# KiCad board nodular-base.kicad_pcb (continued)
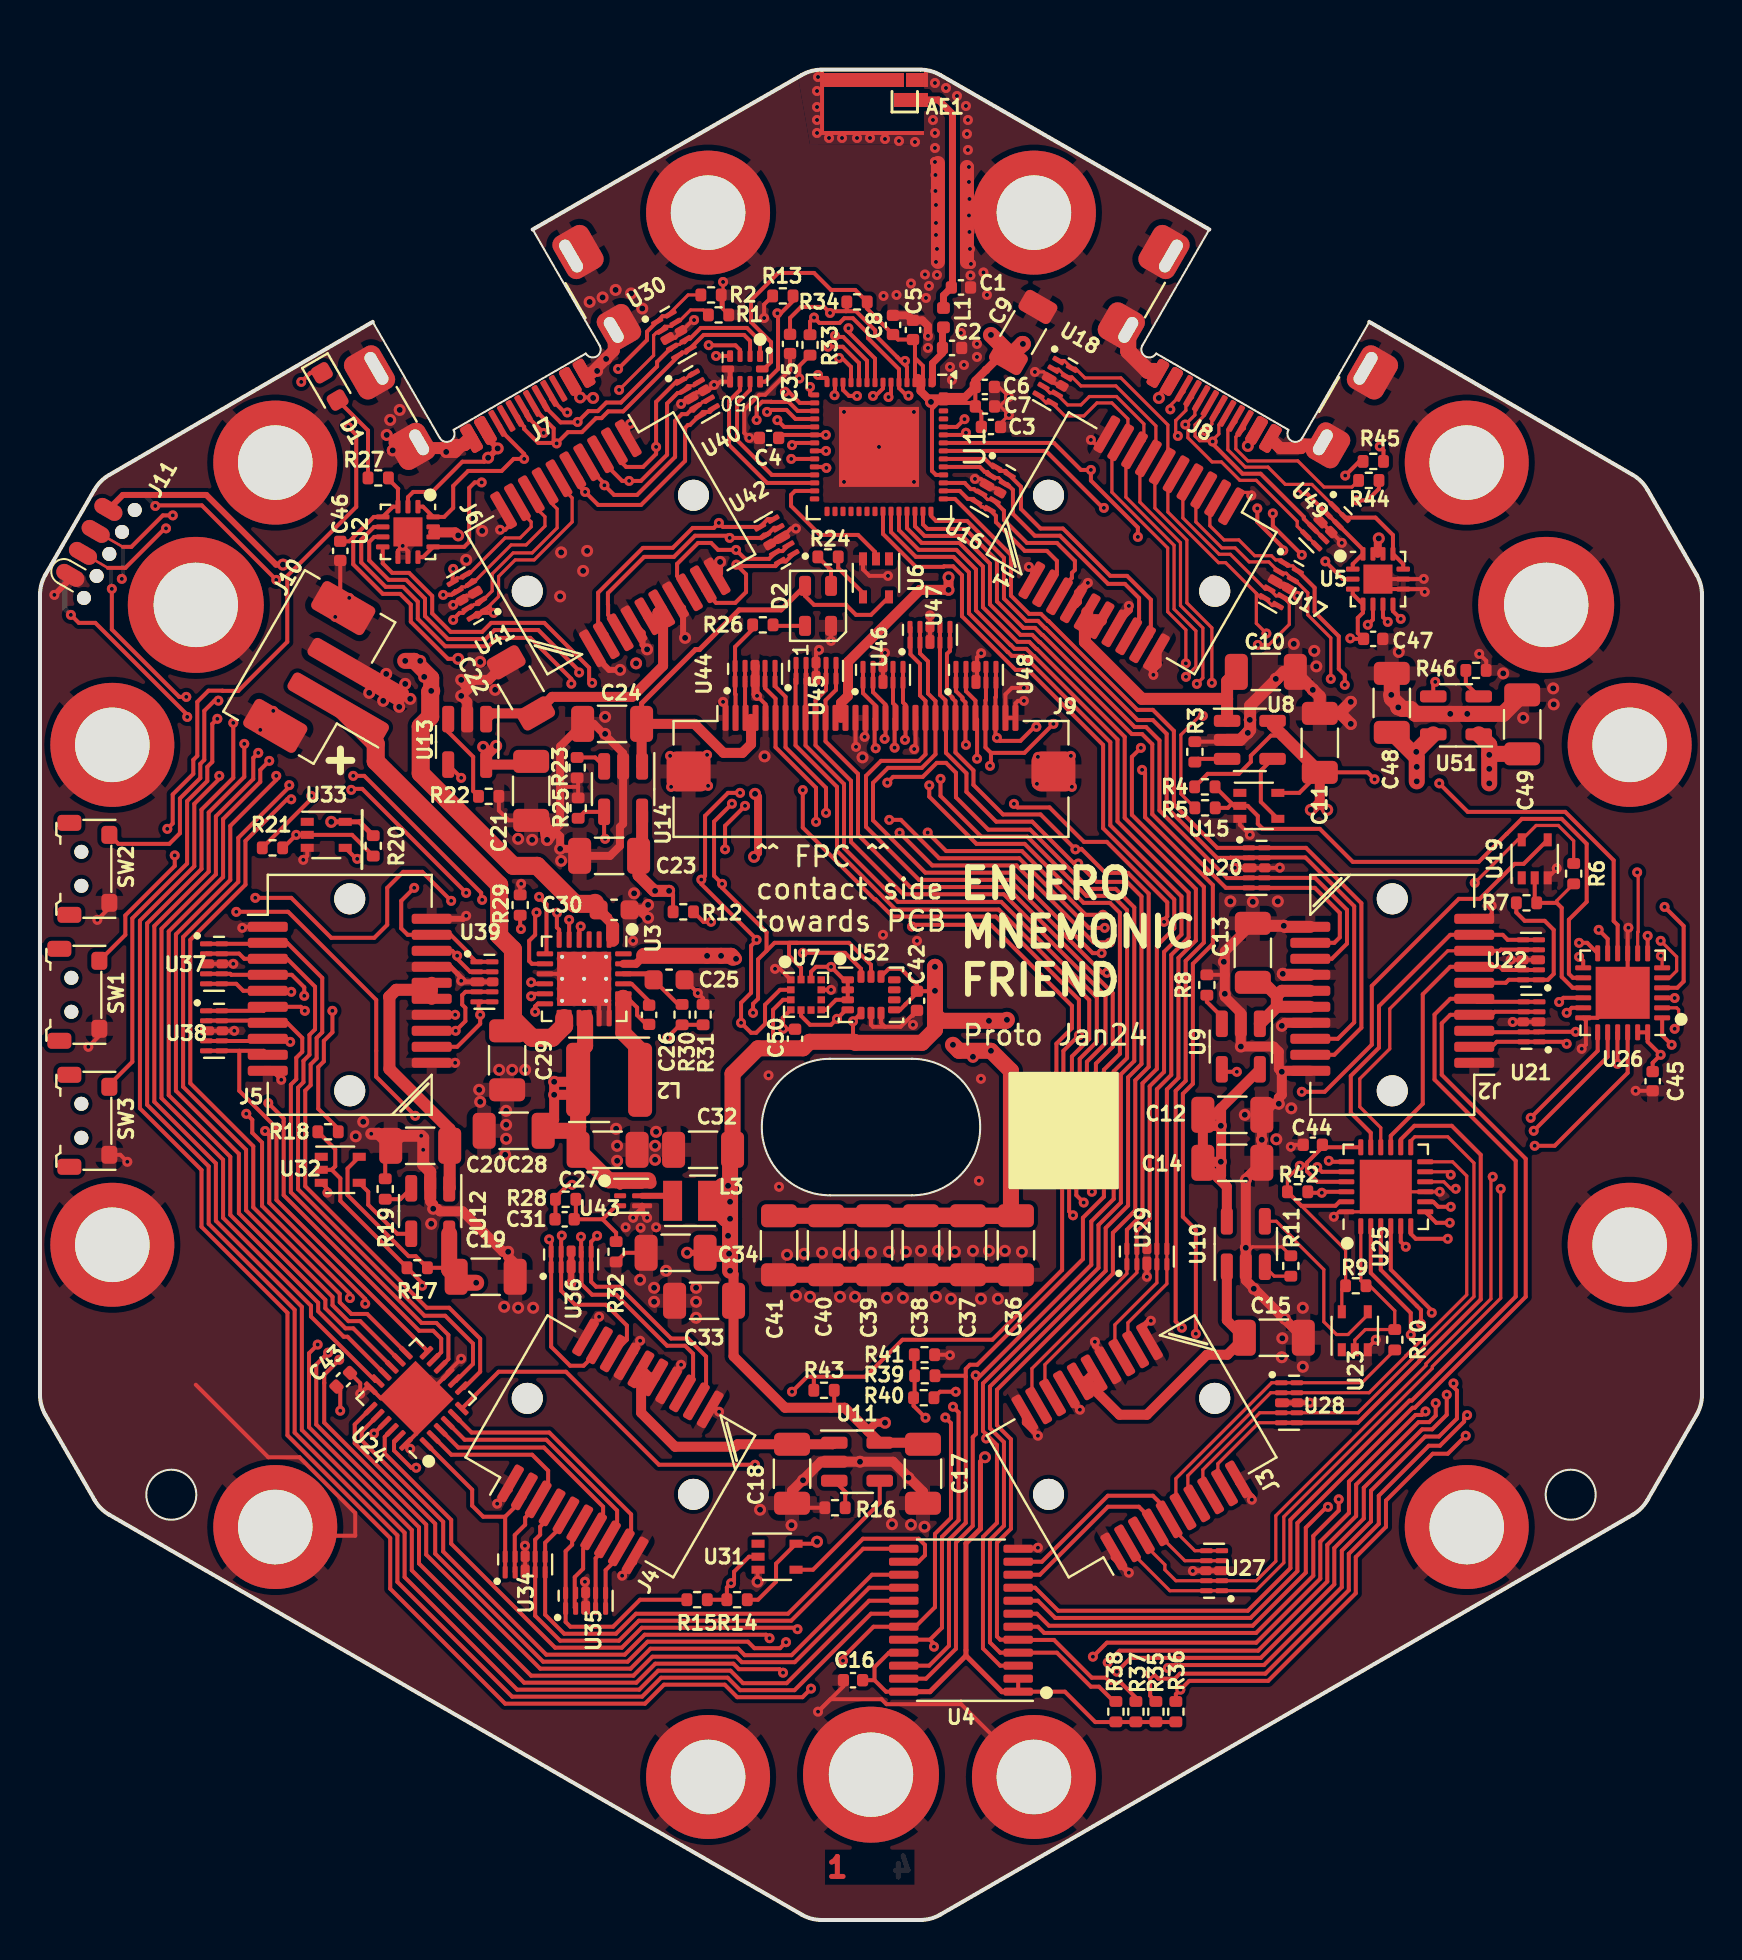
[diagram p0: board, top side]
## Routing (per net, layer and track width the routed paths; a pad name or vN(x,y) marks a point on that pad's centre or on a via; arc(x,y) is an arc through that point) (continued)
/~{BOOTLOADER}: length 111.5
  Top w0.2: R33.2 38.52,79.94 v1(38.72,80.14) 38.99,79.87 40,79.87 40.23,80.1 40.66,80.1 41.42,79.35 41.42,79.11 42.97,77.56 42.97,76.61 43.35,76.23 v1(43.44,76.23) ; U48.10 U48.1 45.82,61.46 46.14,61.13 46.14,61.04 46.29,60.89 J9.25 46.29,58.79 v1(46.32,58.77) ; SW3.2 3.47,41.77 4.62,42.92 4.62,50.09 7.36,52.83 7.36,55.95 8.37,56.96 8.37,57.67 8.62,57.92 8.62,59.82 v1(8.87,60.07)
  In2.Cu w0.2: v1(43.44,76.23) 43.51,76.17 43.51,75.92 43.22,75.62 43.22,75.16 43.62,74.76 43.62,72.64 43.22,72.24 43.22,69.47 44.02,68.67 44.02,59.92 44.67,59.27 44.67,58.17 43.97,57.47 43.97,56.46 44.28,56.15 44.88,56.15 46.32,57.59 v1(46.32,58.77) ; v1(4.09,67.07) 4.09,63.54 5.77,61.87 7.33,61.87 8.87,60.32 v1(8.87,60.07) 8.87,60.22 12.92,64.27 12.92,66.1 16.89,70.07 18.99,70.07 19.69,70.77 23.47,70.77 24.37,71.67 26.67,71.67 27.26,72.26 28.61,72.26 30.67,74.32 30.67,75.77 32.22,77.32 35.32,77.32 38.14,80.14 v1(38.72,80.14)
  Bottom w0.127: J11.6 4.14,68.67
  Bottom w0.16: 4.14,68.67 4.14,67.12 v1(4.09,67.07)
/~{ESPRESET}: length 106
  Top w0.2: 42.87,78.17 43.07,77.97 v1(43.27,77.97) ; 42.87,78.17 43.37,77.67 43.37,77.12 ; 42.87,78.17 41.78,79.26 41.78,79.5 40.82,80.45 40.32,80.45 ; 40.32,80.45 39.61,80.45 v1(39.52,80.37) 39.22,80.67 38.07,80.67 37.52,80.12 C35.1 ; 40.32,80.45 40.36,80.49 R34.2 ; v1(11.82,67.02) 8.09,70.74 5.8,70.74 v1(5.77,70.72) ; v1(8.92,60.98) 8.73,60.98 8.22,60.47 8.22,58.02 8.02,57.82 8.02,57.11 7,56.09 7,54.35 6.47,53.82 3.92,53.82 SW2.2 ; v1(46.88,58.07) 46.88,60.04 J9.26 46.79,60.98 46.32,61.45 U48.2 U48.9
  In2.Cu w0.2: v1(11.82,67.02) 12.32,66.52 12.56,66.52 ; 12.56,66.52 12.84,66.52 16.74,70.42 18.85,70.42 19.55,71.12 23.32,71.12 24.22,72.02 26.42,72.02 27.02,72.62 28.42,72.62 30.27,74.47 30.27,75.88 32.11,77.72 34.96,77.72 37.88,80.64 39.25,80.64 v1(39.52,80.37) ; 12.56,66.52 12.56,64.66 8.92,61.02 v1(8.92,60.98) ; v1(46.88,58.07) 46.88,57.6 45.08,55.8 44.14,55.8 43.57,56.37 43.57,57.62 44.23,58.28 44.23,59.21 43.67,59.77 43.67,68.33 42.82,69.18 42.82,72.44 43.17,72.79 43.17,74.62 42.87,74.92 42.87,75.77 42.94,75.85 42.94,77.64 v1(43.27,77.97)
  Bottom w0.2: J11.5 4.15,71.27 5.22,71.27 v1(5.77,70.72)
/~{INT_SYS}: length 250.6
  Top w0.2: v1(26.58,61.83) 26.58,62.07 24.53,64.12 22.86,64.12 22.44,63.7 20.27,63.7 18.9,65.07 18.9,65.93 18.16,66.67 17.29,66.67 16.07,67.89 16.07,69.03 16.71,69.67 U2.5 ; v1(35.27,55.72) 34.27,54.72 v1(34.27,53.54) ; v1(24.97,51.17) 25.34,50.8 25.34,48.4 U3.7 ; v1(74.77,38.72) 75.77,38.72 79.42,42.37 U26.22 ; U25.22 64.17,36.42 v1(64.12,36.37) 63.47,36.37 R42.2 ; v1(70.71,26.83) 70.71,26.65 70.88,26.48 70.88,25.08 69.98,24.18 69.29,24.18 66.58,21.47 66.58,19.93 65.12,18.47 65.12,16.64 61.22,12.75 56.57,12.75 v1(56.42,12.6) ; v1(38.16,56.51) 38.16,54.63 41.74,51.04 41.8,51.04 42.66,50.18 47.81,50.18 51.97,46.02 v1(51.97,44.24) 51.19,43.47 51.19,38.71 v1(51.12,38.64) ; U5.5 66.68,65.03 v1(66.42,64.77) ; U24.22 17.24,24.16 17.24,23.33 20.57,20.01 20.57,18.82 25.77,13.62 29.1,13.62 30.1,14.62 37.82,14.62 v1(37.89,14.54) ; v1(38.52,76.67) 38.52,76.27
  In2.Cu w0.2: v1(70.71,26.83) 70.32,27.22 70.32,32.62 73.67,35.97 73.67,37.72 73.73,37.78 ; 73.73,37.78 74.72,38.77 v1(74.77,38.72) ; 73.73,37.78 70.36,37.78 70.1,37.52 66.77,37.52 65.62,36.37 v1(64.12,36.37) 54.37,36.37 52.97,37.77 52.53,37.77 51.66,38.64 v1(51.12,38.64) ; v1(38.52,76.67) 38.52,75.82 39.82,74.52 39.82,73.32 40.72,72.42 40.72,61.07 39.92,60.27 39.92,58.27 v1(38.16,56.51) 38.16,56.28 37.39,55.52 35.47,55.52 v1(35.27,55.72) 34.87,55.32 30.17,55.32 26.58,58.91 v1(26.58,61.83) ; v1(56.42,12.6) 56.39,12.6 54.34,14.64 37.99,14.64 v1(37.89,14.54) ; v1(34.27,53.54) 34.24,53.52 29.53,53.52 27.28,51.27 25.07,51.27 v1(24.97,51.17) ; v1(51.97,44.24) 51.97,45.89 51.22,46.64 51.22,51.34 54.04,54.17 54.04,58.67 55.19,59.82 55.19,62.59 56.8,64.2 60.15,64.2 60.82,64.87 66.33,64.87 v1(66.42,64.77)
/~{QON}: length 35.6
  Top w0.2: v1(6.74,53.24) 6.74,52.71 4.27,50.24 4.27,49.27 SW1.2 ; v1(24.77,45.42) 24.77,45.7 24.77,45.7 24.9,45.82 U3.12 ; v1(18.77,40.22) 16.82,42.17 16.82,46.01 12.41,50.42 v1(9.82,50.42)
  In2.Cu w0.2: v1(24.77,45.42) 19.57,40.22 v1(18.77,40.22) ; v1(9.82,50.42) 9.42,50.42 6.74,53.1 v1(6.74,53.24)
Net-(AE1-FEED): length 11.5
  Top w0.35: AE1.1 44.94,91.02 45.64,90.32 45.64,81.7 C1.1 45.19,81.25 L1.1
Net-(C26-Pad1): length 6.6
  Top w0.2: U3.20 29.87,45.63 29.87,45.25 30.33,44.79 C26.1
  Top w0.8: L2.1 30.02,43.52 29.18,44.36 U3.19 29.18,46.11 29.17,46.12
Net-(D1-A): length 4.5
  Top w0.2: D1.2 16.41,74.49 R27.1
Net-(D2-DIN): length 1.7
  Top w0.2: D2.3 39.57,67.51 R24.2
Net-(D2-DOUT): length 1.6
  Top w0.2: R26.1 36.72,64.72 D2.1
Net-(J8-CC1): length 13.7
  Top w0.16: U49.1 63.62,71.79 62.29,71.79 61.43,72.66 60.29,72.66 59.42,73.53 59.42,74.52 59.82,74.92 J8.A5
  Top w0.2: U49.1 U49.10 66.8,70.13 67.68,69.26 U5.11 68.19,67.81 U5.10
Net-(J8-CC2): length 18.3
  Top w0.16: v1(56.54,75.55) 56.54,75.74 57.22,76.42 J8.B5
  Top w0.2: U5.1 65.67,67.81 U5.14 66.18,68.53 U49.2 63.4,71.31 v1(62.92,71.31)
  In2.Cu w0.2: v1(56.54,75.55) 56.27,75.27 56.27,73.82 57.12,72.97 58.94,72.97 59.72,73.75 59.72,73.94 60.15,74.37 60.77,74.37 61.67,73.47 61.67,72.56 v1(62.92,71.31)
Net-(R24-Pad1): length 2.5
  Top w0.2: U6.4 41.17,66.37 39.93,67.61 R24.1
Net-(U1-LNA_IN): length 3.1
  Top w0.35: 44.64,76.82 44.64,77.85 45.14,78.35 C2.1 45.14,79.6 L1.2
Net-(U3-BTST): length 1.8
  Top w0.2: U3.21 29.59,46.82 30.47,45.94 C26.2
Net-(U3-ILIM): length 4.3
  Top w0.2: v1(24.57,46.89) 24.64,46.82 U3.10 ; v1(24.06,49.56) 24.02,49.6 R29.1
  In2.Cu w0.2: v1(24.57,46.89) 24.57,49.05 v1(24.06,49.56)
Net-(U3-REGN): length 3.6
  Top w0.2: R30.2 31.92,45.79 C25.1
  Top w0.25: C25.1 30.39,47.32 U3.22
Net-(U3-TS): length 10.5
  Top w0.2: v1(31.37,44.12) 32.02,44.77 R30.1 R31.2 ; v1(24.57,46.2) 24.69,46.32 U3.11
  In2.Cu w0.2: v1(31.37,44.12) 27.12,44.12 25.04,46.2 v1(24.57,46.2)
Net-(U8-SET): length 1.7
  Top w0.2: U8.3 57.93,58.07 R3.1
Net-(U9-SET): length 1.7
  Top w0.2: U9.3 59.12,45.17 58.37,45.92 R8.1
Net-(U10-SET): length 1.5
  Top w0.16: U10.3 61.74,32.2 R11.1
Net-(U11-SET): length 1.6
  Top w0.2: R16.1 40.28,21.28 40.32,21.32 40.32,21.38 U11.3
Net-(U12-SET): length 1.5
  Top w0.2: U12.3 18.02,36.05 R19.1
Net-(U13-SET): length 4.5
  Top w0.2: R22.1 21.67,56.46 21.67,58.17 20.42,59.42 U13.3
Net-(U14-SET): length 1.5
  Top w0.2: U14.3 27.77,58.14 R23.1
Net-(U43-FB): length 5
  Top w0.2: 28.14,35.04 28.82,34.37 R32.2 ; 28.14,35.04 28.82,35.72 U43.3 ; 28.14,35.04 C31.2 26.8,35.12 R28.1
Net-(U43-SW): length 1.6
  Top w0.3: U43.5 31.39,36.22 L3.1
Net-(U51-SET): length 1.6
  Top w0.2: R46.1 71.32,61.84 U51.3

## Copper pours and planes (outline as drawn; the poured copper is in the pictures)
GND on Top: 37.37,95.27 46.07,95.07 44.52,88.82 38.52,88.77
GND on Top, Bottom, In1.Cu, In2.Cu: -30.18,117.77 111.07,117.02 112.42,-22.78 -31.28,-17.18
GND on Bottom, In1.Cu, In2.Cu: 43.42,89.17 47.92,89.17 47.42,81.87 43.12,81.72

## Text on the board
Bottom: 4
User.Eco2: Display header top
Top: 1
F.Silkscreen: ^^ FPC ^^ / contact side / towards PCB | Proto Jan24 | ENTERO / MNEMONIC / FRIEND | +
In1.Cu: 2
In2.Cu: 3
